# Altium PCB WhiteRHINO_0v1.PcbDoc (part 1 of 10) (continued)
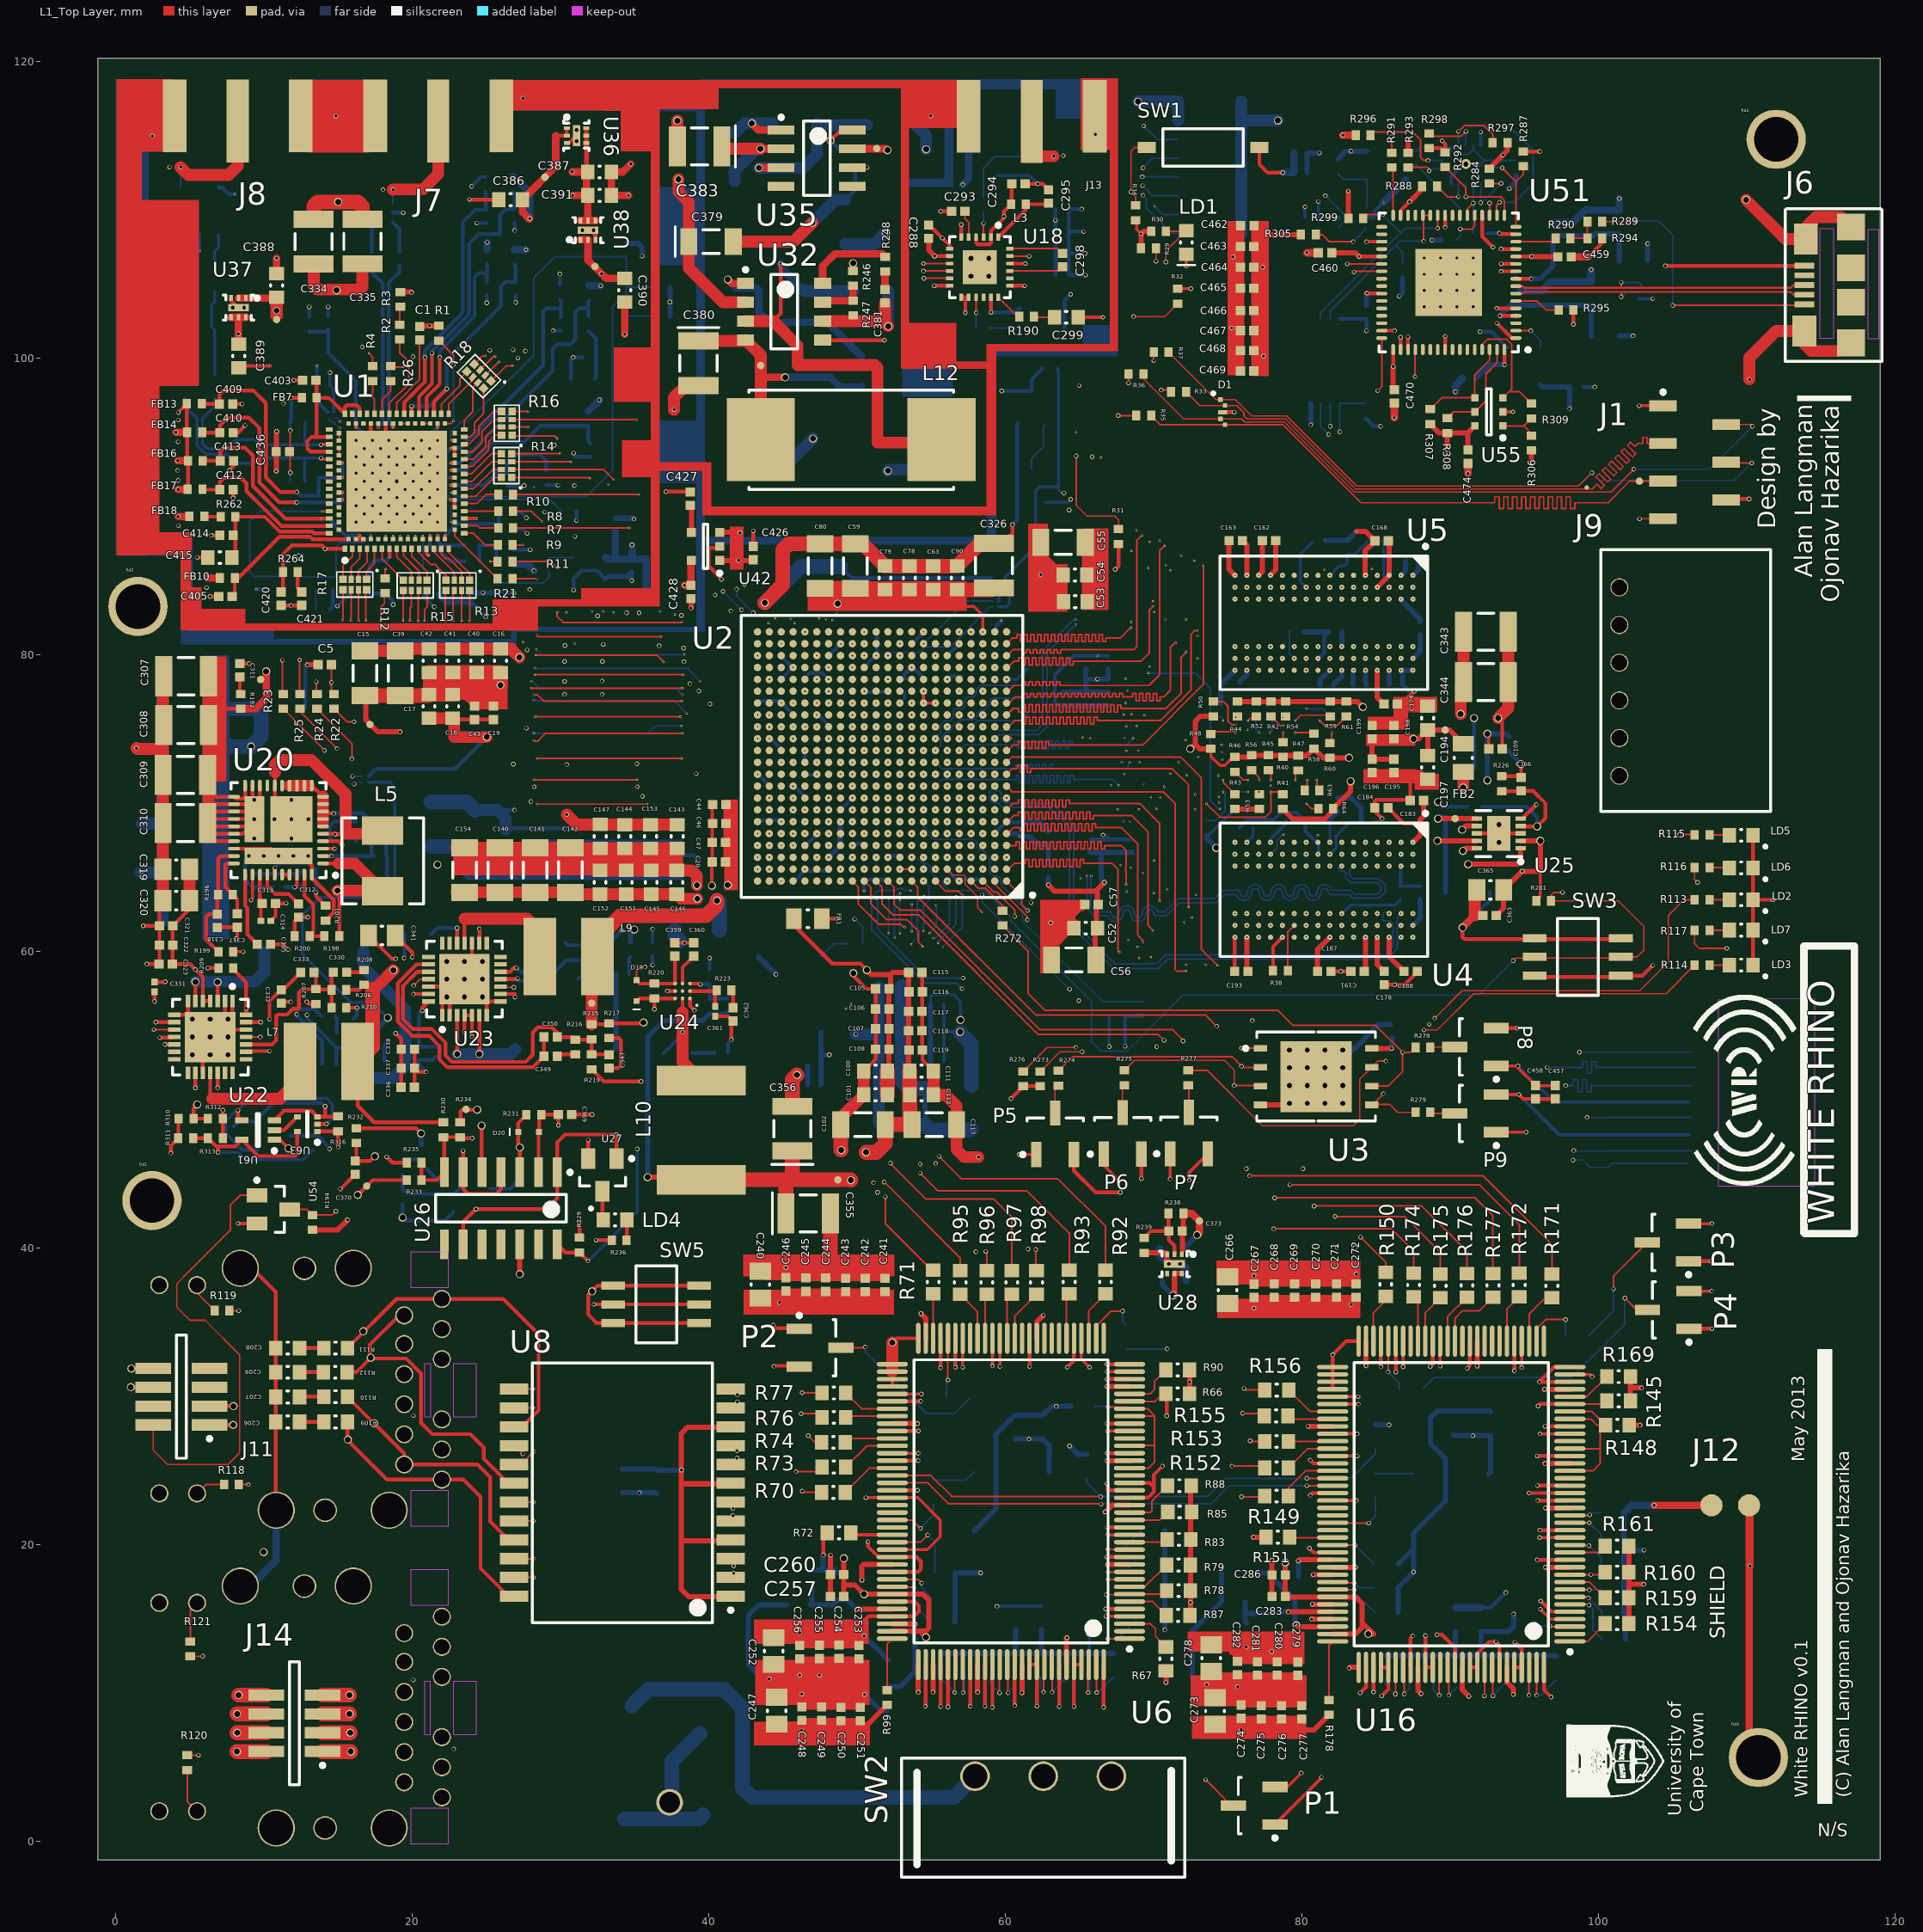
[diagram p0: L1_Top Layer view]
## Components (designator, comment, footprint, x,y, rotation, side; value= is the part's Value field where it differs from the comment) (continued)
C60 "CAP_0603" CAPC0603(1608)100_N 52.258,52.734 r0 bottom
C61 "CAP_0603" CAPC0603(1608)100_N 52.258,54.384 r0 bottom
C62 "CAP_0603" CAPC0603(1608)100_N 52.258,56.009 r0 bottom
C63 "CAP_0603" CAPC0603(1608)100_N 55.15,85.15 r270 top
C64 "CAP_1206" CAPC1206(3216)100_N 53.1,48.275 r0 bottom
C65 "CAP_0402" CAPC0402(1005)60_N 55.425,52.575 r180 bottom
C66 "CAP_0402" CAPC0402(1005)60_N 54.159,84.692 r270 bottom
C67 "CAP_0402" CAPC0402(1005)60_N 47.675,79.925 r180 bottom
C68 "CAP_0402" CAPC0402(1005)60_N 57.4,78.825 r45 bottom
C69 "CAP_0402" CAPC0402(1005)60_N 46.5,77.975 r270 bottom
C70 "CAP_0402" CAPC0402(1005)60_N 55.475,84.7 r270 bottom
C71 "CAP_0402" CAPC0402(1005)60_N 56.1,65.875 r90 bottom
C72 "CAP_0402" CAPC0402(1005)60_N 54.5,77.975 r270 bottom
C73 "CAP_0402" CAPC0402(1005)60_N 50.15,79.125 r180 bottom
C74 "CAP_0402" CAPC0402(1005)60_N 58.95,81.525 r180 bottom
C75 "CAP_0402" CAPC0402(1005)60_N 44.95,80.275 r90 bottom
C76 "CAP_0402" CAPC0402(1005)60_N 55.75,79.9 r180 bottom
C77 "CAP_0402" CAPC0402(1005)60_N 55.425,53.85 r180 bottom
C78 "CAP_0603" CAPC0603(1608)100_N 53.55,85.15 r270 top
C79 "CAP_0603" CAPC0603(1608)100_N 51.9,85.15 r270 top
C80 "CAP_1206" CAPC1206(3216)100_N 47.525,85.95 r270 top
C81 "CAP_0402" CAPC0402(1005)60_N 44.55,78.325 r180 bottom
C82 "CAP_0402" CAPC0402(1005)60_N 50.925,81.6 r180 bottom
C83 "CAP_0402" CAPC0402(1005)60_N 55.425,56.387 r180 bottom
C84 "CAP_0402" CAPC0402(1005)60_N 55.425,55.12 r180 bottom
C85 "CAP_0402" CAPC0402(1005)60_N 52.872,84.7 r270 bottom
C86 "CAP_0402" CAPC0402(1005)60_N 51.6,84.675 r270 bottom
C87 "CAP_1206" CAPC1206(3216)100_N 53.1,50.725 r0 bottom
C88 "CAP_0603" CAPC0603(1608)100_N 52.278,57.584 r0 bottom
C89 "CAP_0603" CAPC0603(1608)100_N 48.9,85.125 r270 bottom
C90 "CAP_0603" CAPC0603(1608)100_N 56.775,85.15 r270 top
C91 "CAP_0402" CAPC0402(1005)60_N 50.325,84.7 r270 bottom
C92 "CAP_0402" CAPC0402(1005)60_N 50.925,67.55 r45 bottom
C93 "CAP_0402" CAPC0402(1005)60_N 52.1,77.9 r90 bottom
C94 "CAP_0402" CAPC0402(1005)60_N 53.3,80.725 r180 bottom
C95 "CAP_0402" CAPC0402(1005)60_N 52.475,64.8 r0 bottom
C96 "CAP_0402" CAPC0402(1005)60_N 53.225,77.9 r270 bottom
C97 "CAP_0402" CAPC0402(1005)60_N 53.375,66.75 r45 bottom
C98 "CAP_0402" CAPC0402(1005)60_N 50.5,65.075 r90 bottom
C99 "CAP_0402" CAPC0402(1005)60_N 58.35,65.275 r90 bottom
C100 "CAP_0603" CAPC0603(1608)100_N 51.27,51.9 r0 top
C101 "CAP_0603" CAPC0603(1608)100_N 51.27,50.3 r0 top
C102 "CAP_1206" CAPC1206(3216)100_N 50.42,48.3 r0 top
C103 "CAP_0402" CAPC0402(1005)60_N 52.5,74.375 r0 bottom
C104 "CAP_0402" CAPC0402(1005)60_N 52.5,72.7 r0 bottom
C105 "CAP_0402" CAPC0402(1005)60_N 51.72,57.45 r0 top
C106 "CAP_0402" CAPC0402(1005)60_N 51.72,56.088 r0 top
C107 "CAP_0402" CAPC0402(1005)60_N 51.72,54.75 r0 top
C108 "CAP_0402" CAPC0402(1005)60_N 51.72,53.375 r0 top
C109 "CAP_0402" CAPC0402(1005)60_N 93.075,73.625 r180 top
C110 "CAP_0402" CAPC0402(1005)60_N 93.975,74 r90 bottom
C111 "CAP_0603" CAPC0603(1608)100_N 54.375,51.9 r180 top
C112 "CAP_0603" CAPC0603(1608)100_N 54.375,50.3 r180 top
C113 "CAP_1206" CAPC1206(3216)100_N 55.225,48.3 r180 top
C114 "CAP_0402" CAPC0402(1005)60_N 52.45,75.925 r0 bottom
C115 "CAP_0402" CAPC0402(1005)60_N 53.95,58.55 r180 top
C116 "CAP_0402" CAPC0402(1005)60_N 53.975,57.25 r180 top
C117 "CAP_0402" CAPC0402(1005)60_N 53.95,55.925 r180 top
C118 "CAP_0402" CAPC0402(1005)60_N 53.95,54.625 r180 top
C119 "CAP_0402" CAPC0402(1005)60_N 53.975,53.325 r180 top
C120 "TMK105BJ104KV-F" CAPC0402(1005)60_N 32.966,64.478 r90 bottom
C121 "TMK105BJ104KV-F" CAPC0402(1005)60_N 31.666,64.503 r90 bottom
C122 "CAP_0402" CAPC0402(1005)60_N 36.841,67.853 r270 bottom
C123 "CAP_0402" CAPC0402(1005)60_N 38.166,67.853 r270 bottom
C124 "CAP_0402" CAPC0402(1005)60_N 30.384,64.472 r90 bottom
C125 "CAP_0402" CAPC0402(1005)60_N 54.5,69.95 r270 bottom
C126 "CAP_0402" CAPC0402(1005)60_N 27.816,67.828 r270 bottom
C127 "CAP_0402" CAPC0402(1005)60_N 29.116,67.828 r270 bottom
C128 "CAP_0402" CAPC0402(1005)60_N 30.391,67.828 r270 bottom
C129 "CAP_0402" CAPC0402(1005)60_N 50.063,72.692 r180 bottom
C130 "CAP_0402" CAPC0402(1005)60_N 54.438,73.042 r270 bottom
C131 "CAP_0402" CAPC0402(1005)60_N 50.038,74.292 r180 bottom
C132 "CAP_0402" CAPC0402(1005)60_N 54.438,75.467 r90 bottom
C133 "CAP_0402" CAPC0402(1005)60_N 50.125,71.125 r180 bottom
C134 "CAP_0402" CAPC0402(1005)60_N 31.666,67.828 r270 bottom
C135 "CAP_0402" CAPC0402(1005)60_N 32.941,67.828 r270 bottom
C136 "CAP_0402" CAPC0402(1005)60_N 34.266,67.828 r270 bottom
C137 "CAP_0402" CAPC0402(1005)60_N 35.541,67.828 r270 bottom
C138 "CAP_0402" CAPC0402(1005)60_N 29.084,64.472 r90 bottom
C139 "CAP_0402" CAPC0402(1005)60_N 27.784,64.472 r90 bottom
C140 "CAP_1206" CAPC1206(3216)100_N 25.925,65.45 r90 top
C141 "CAP_1206" CAPC1206(3216)100_N 28.3,65.45 r90 top
C142 "CAP_1206" CAPC1206(3216)100_N 30.684,65.453 r90 top
C143 "CAP_0603" CAPC0603(1608)100_N 37.891,67.722 r270 top
C144 "CAP_0603" CAPC0603(1608)100_N 34.35,67.722 r270 top
C145 "CAP_0603" CAPC0603(1608)100_N 36.134,64.628 r90 top
C146 "CAP_0603" CAPC0603(1608)100_N 37.859,64.628 r90 top
C147 "CAP_0603" CAPC0603(1608)100_N 32.7,67.725 r270 top
C148 "CAP_0402" CAPC0402(1005)60_N 36.875,64.425 r90 bottom
C149 "TMK105BJ104KV-F" CAPC0402(1005)60_N 35.566,64.428 r90 bottom
C150 "TMK105BJ104KV-F" CAPC0402(1005)60_N 34.291,64.453 r90 bottom
C151 "CAP_0603" CAPC0603(1608)100_N 34.447,64.628 r90 top
C152 "CAP_0603" CAPC0603(1608)100_N 32.686,64.628 r90 top
C153 "CAP_0603" CAPC0603(1608)100_N 36.091,67.722 r270 top
C154 "CAP_1206" CAPC1206(3216)100_N 23.55,65.45 r90 top
C155 "CAP_0402" CAPC0402(1005)60_N 38.175,64.425 r90 bottom
C156 "CAP_0603" CAPC0402(1005)60_N 52.9,69.925 r90 bottom locked
C157 "CAP_0402" CAPC0402(1005)60_N 86,54.6 r270 bottom
C158 "CAP_0402" CAPC0402(1005)60_N 82.45,69.875 r90 bottom
C159 "CAP_0402" CAPC0402(1005)60_N 80.7,68.75 r0 bottom
C160 "CAP_0402" CAPC0402(1005)60_N 84.95,87.675 r0 bottom
C161 "CAP_0402" CAPC0402(1005)60_N 83.05,87.2 r270 bottom
C162 "CAP_0402" CAPC0402(1005)60_N 77.8,87.675 r0 top
C163 "CAP_0402" CAPC0402(1005)60_N 75.55,87.675 r0 top
C164 "CAP_0402" CAPC0402(1005)60_N 81.175,87.675 r180 bottom
C165 "CAP_0402" CAPC0402(1005)60_N 81.5,84.55 r0 bottom
C166 "CAP_0402" CAPC0402(1005)60_N 84.7,84.55 r0 bottom
C167 "CAP_0402" CAPC0402(1005)60_N 86.7,84.125 r90 bottom
C168 "CAP_0402" CAPC0402(1005)60_N 85.4,87.65 r0 top
C169 "CAP_0402" CAPC0402(1005)60_N 87.45,86.275 r0 bottom
C170 "CAP_0402" CAPC0402(1005)60_N 88,81.75 r270 bottom
C171 "CAP_0402" CAPC0402(1005)60_N 81.7,77.95 r180 bottom
C172 "CAP_0402" CAPC0402(1005)60_N 83.925,77.95 r0 bottom
C173 "CAP_0402" CAPC0402(1005)60_N 75.375,78.15 r0 bottom
C174 "CAP_0402" CAPC0402(1005)60_N 86,76.65 r180 top
C175 "CAP_0402" CAPC0402(1005)60_N 80.725,79.75 r180 bottom
C176 "CAP_0402" CAPC0402(1005)60_N 86.35,77.975 r180 bottom
C177 "CAP_0402" CAPC0402(1005)60_N 82.3,81.5 r0 bottom
C178 "CAP_0402" CAPC0402(1005)60_N 85.575,58.175 r90 top
C179 "CAP_0402" CAPC0402(1005)60_N 86.7,66.075 r90 bottom
C180 "CAP_0402" CAPC0402(1005)60_N 84.475,68.675 r180 bottom
C181 "CAP_0402" CAPC0402(1005)60_N 80.7,66.575 r180 bottom
C182 "CAP_0402" CAPC0402(1005)60_N 84.7,66.525 r0 bottom
C183 "CAP_0402" CAPC0402(1005)60_N 87.775,70.15 r0 top
C184 "CAP_0402" CAPC0402(1005)60_N 85.375,69.65 r0 top
C185 "CAP_0402" CAPC0402(1005)60_N 78.525,68.775 r0 bottom
C186 "CAP_0402" CAPC0402(1005)60_N 76.275,68.3 r0 bottom
C187 "CAP_0402" CAPC0402(1005)60_N 81.525,58.625 r180 top
C188 "CAP_0402" CAPC0402(1005)60_N 87.35,58.625 r180 top
C189 "CAP_0402" CAPC0402(1005)60_N 86.675,63.925 r270 bottom
C190 "CAP_0402" CAPC0402(1005)60_N 88,63.925 r270 bottom
C191 "CAP_0402" CAPC0402(1005)60_N 83.775,58.625 r0 top
C192 "CAP_0402" CAPC0402(1005)60_N 80.7,61.725 r180 bottom
C193 "CAP_0402" CAPC0402(1005)60_N 75.925,58.625 r0 top
C194 "CAP_0603" CAPC0603(1608)100_N 88.5,75.7 r270 top
C195 "CAP_0402" CAPC0402(1005)60_N 86.225,72.475 r90 top
C196 "CAP_0402" CAPC0402(1005)60_N 84.75,72.475 r90 top
C197 "CAP_0603" CAPC0603(1608)100_N 88.5,72.375 r90 top
C198 "CAP_0402" CAPC0402(1005)60_N 86.225,74.75 r270 top
C199 "CAP_0402" CAPC0402(1005)60_N 84.75,74.75 r270 top
C200 "CAP_0603" CAPC0603(1608)100_N 60.675,27.9 r270 bottom
C201 "CAP_0603" CAPC0603(1608)100_N 62.55,27.9 r90 bottom
C202 "CAP_0603" CAPC0603(1608)100_N 62.45,15.025 r270 bottom
C203 "CAP_0603" CAPC0603(1608)100_N 60.7,15.025 r270 bottom
C204 "CAP_0603" CAPC0603(1608)100_N 36.5,24.2 r90 bottom
C205 "CAP_0603" CAPC0603(1608)100_N 34.2,24.275 r90 bottom
C206 "CAP_0603" CAPC0603(1608)100_N 11.625,28.25 r0 top locked
C207 "CAP_0603" CAPC0603(1608)100_N 11.625,29.926 r0 top locked
C208 "CAP_0603" CAPC0603(1608)100_N 11.625,33.225 r0 top locked
C209 "CAP_0603" CAPC0603(1608)100_N 11.625,31.6 r0 top locked
C240 "CAP_0805" CAPC0805(2012)75_N 43.5,37.5 r270 top
C241 "CAP_0402" CAPC0402(1005)60_N 51.9,37.475 r270 top
C242 "CAP_0402" CAPC0402(1005)60_N 50.575,37.475 r270 top
C243 "CAP_0402" CAPC0402(1005)60_N 49.25,37.475 r270 top
C244 "CAP_0402" CAPC0402(1005)60_N 47.9,37.5 r270 top
C245 "CAP_0402" CAPC0402(1005)60_N 46.575,37.5 r270 top
C246 "CAP_0402" CAPC0402(1005)60_N 45.225,37.525 r270 top
C247 "CAP_0805" CAPC0805(2012)75_N 44.603,8.775 r90 top locked
C248 "CAP_0402" CAPC0402(1005)60_N 46.3,8.575 r90 top
C249 "CAP_0402" CAPC0402(1005)60_N 47.625,8.575 r90 top
C250 "CAP_0402" CAPC0402(1005)60_N 48.925,8.55 r90 top
C251 "CAP_0402" CAPC0402(1005)60_N 50.234,8.56 r90 top
C252 "CAP_0805" CAPC0805(2012)75_N 44.4,12.8 r270 top
C253 "CAP_0402" CAPC0402(1005)60_N 50.15,12.725 r270 top
C254 "CAP_0402" CAPC0402(1005)60_N 48.8,12.75 r270 top
C255 "CAP_0402" CAPC0402(1005)60_N 47.487,12.74 r270 top
C256 "CAP_0402" CAPC0402(1005)60_N 46.15,12.725 r270 top
C257 "CAP_0402" CAPC0402(1005)60_N 48.675,16.475 r0 top locked
C258 "CAP_0805" CAPC0805(2012)75_N 48.725,17.15 r270 bottom
C259 "CAP_0402" CAPC0402(1005)60_N 46.975,17.825 r270 bottom
C260 "CAP_0402" CAPC0402(1005)60_N 48.675,17.95 r0 top
C261 "CAP_0805" CAPC0805(2012)75_N 53.025,12.2 r0 bottom
C262 "CAP_0603" CAPC0603(1608)100_N 90.225,28.175 r270 bottom
C263 "CAP_0603" CAPC0603(1608)100_N 92.732,28.125 r90 bottom
C264 "CAP_0603" CAPC0603(1608)100_N 92.1,14.925 r270 bottom
C265 "CAP_0603" CAPC0603(1608)100_N 90.375,14.925 r270 bottom
C266 "CAP_0805" CAPC0805(2012)75_N 75,37.125 r90 top
C267 "CAP_0402" CAPC0402(1005)60_N 76.791,37.086 r90 top
C268 "CAP_0402" CAPC0402(1005)60_N 78.15,37.1 r90 top
C269 "CAP_0402" CAPC0402(1005)60_N 79.525,37.1 r90 top
C270 "CAP_0402" CAPC0402(1005)60_N 80.95,37.1 r90 top
C271 "CAP_0402" CAPC0402(1005)60_N 82.35,37.1 r90 top
C272 "CAP_0402" CAPC0402(1005)60_N 83.675,37.1 r90 top
C273 "CAP_0805" CAPC0805(2012)75_N 74.15,8.75 r90 top
C274 "CAP_0402" CAPC0402(1005)60_N 75.911,8.711 r90 top
C275 "CAP_0402" CAPC0402(1005)60_N 77.275,8.675 r90 top
C276 "CAP_0402" CAPC0402(1005)60_N 78.65,8.675 r90 top
C277 "CAP_0402" CAPC0402(1005)60_N 80,8.675 r90 top
C278 "CAP_0805" CAPC0805(2012)75_N 73.9,12.325 r270 top
C279 "CAP_0402" CAPC0402(1005)60_N 79.736,11.614 r270 top
C280 "CAP_0402" CAPC0402(1005)60_N 78.35,11.625 r270 top
C281 "CAP_0402" CAPC0402(1005)60_N 77.025,11.625 r270 top
C282 "CAP_0402" CAPC0402(1005)60_N 75.675,11.65 r270 top
C283 "CAP_0402" CAPC0402(1005)60_N 78.45,16.475 r0 top
C284 "CAP_0805" CAPC0805(2012)75_N 77.975,14.425 r90 bottom
C285 "CAP_0402" CAPC0402(1005)60_N 76.275,14.25 r90 bottom locked
C286 "CAP_0402" CAPC0402(1005)60_N 78.45,17.925 r0 top
C287 "CAP_0805" CAPC0805(2012)75_N 78.874,17.798 r180 bottom locked
C288 "CAP_0402" CAPC0402(1005)60_N 54.85,108.5 r90 top
C289 "CAP_0402" CAPC0402(1005)60_N 63.85,105.575 r0 bottom
C290 "CAP_0402" CAPC0402(1005)60_N 63.85,107.025 r0 bottom
C291 "CAP_0402" CAPC0402(1005)60_N 63.85,108.5 r0 bottom
C292 "CAP_0402" CAPC0402(1005)60_N 63.85,110.025 r180 bottom
C293 "CAP_0402" CAPC0402(1005)60_N 56.85,109.875 r0 top locked
C294 "CAP_0402" CAPC0402(1005)60_N 60.9,111.725 r0 top
C295 "CAP_0402" CAPC0402(1005)60_N 62.925,110.875 r270 top
C296 "CAP_0402" CAPC0402(1005)60_N 61.9,113.575 r180 bottom
C297 "CAP_0402" CAPC0402(1005)60_N 59,112.275 r180 bottom
C298 "CAP_0402" CAPC0402(1005)60_N 63.875,106.575 r90 top
C299 "CAP_0603" CAPC0603(1608)100_N 64.125,102.725 r180 top
C300 "CAP_0402" CAPC0402(1005)60_N 58.5,102.025 r180 bottom locked
C301 "CAP_1210" CAPC1210(3225)100_N 4.675,68.575 r0 bottom
C302 "CAP_1210" CAPC1210(3225)100_N 4.675,71.975 r0 bottom
C303 "CAP_1210" CAPC1210(3225)100_N 4.675,75.3 r0 bottom
C304 "CAP_1210" CAPC1210(3225)100_N 4.65,78.625 r0 bottom
C305 "CAP_0402" CAPC0402(1005)60_N 10.025,60.45 r0 top
C306 "CAP_0402" CAPC0402(1005)60_N 17.875,66.4 r0 bottom locked
C307 "CAP_1210" CAPC1210(3225)100_N 4.775,78.525 r0 top
C308 "CAP_1210" CAPC1210(3225)100_N 4.771,75.226 r0 top
C309 "CAP_1210" CAPC1210(3225)100_N 4.725,71.875 r0 top
C310 "CAP_1210" CAPC1210(3225)100_N 4.725,68.625 r0 top
C311 "CAP_0402" CAPC0402(1005)60_N 8.4,78.925 r90 top
C312 "CAP_0402" CAPC0402(1005)60_N 12.35,62.725 r270 top
C313 "CAP_0402" CAPC0402(1005)60_N 10.35,63.2 r0 top
C314 "CAP_0201" CAPC0201(0603)33_N 10.15,62.025 r0 top locked
C315 "CAP_0402" CAPC0402(1005)60_N 9.3,64.75 r90 bottom locked
C316 "CAP_0402" CAPC0402(1005)60_N 11.025,64.3 r180 bottom locked
C317 "CAP_0402" CAPC0402(1005)60_N 8.225,62.05 r90 top locked
C318 "CAP_0402" CAPC0402(1005)60_N 6.875,62.025 r90 top locked
C319 "CAP_0805" CAPC0805(2012)75_N 4.101,65.498 r0 top
C320 "CAP_0805" CAPC0805(2012)75_N 4.1,63.4 r0 top
C321 "CAP_0402" CAPC0402(1005)60_N 3.425,61.7 r0 top
C322 "CAP_0402" CAPC0402(1005)60_N 3.425,60.4 r0 top
C323 "CAP_0402" CAPC0402(1005)60_N 3.4,59.125 r0 top
C324 "Cap Pol1" Polarized_CAPC1210(3225) 4.675,65.3 r180 bottom
C325 "CAP_0402" CAPC0402(1005)60_N 17.7,52.575 r0 bottom locked
C326 "CAP_1210" CAPC1210(3225)100_N 59.25,85.975 r270 top
C327 "CAP_1210" CAPC1210(3225)100_N 57.725,49.45 r270 bottom
C328 "CAP_0402" CAPC0402(1005)60_N 14.375,55.6 r0 bottom
C329 "CAP_0402" CAPC0402(1005)60_N 14.4,52.375 r0 bottom locked
C330 "CAP_0402" CAPC0402(1005)60_N 15.15,58.575 r0 top locked
C331 "CAP_0201" CAPC0201(0603)33_N 2.65,57.575 r90 top locked
C332 "CAP_0402" CAPC0402(1005)60_N 11.2,56.925 r270 top locked
C333 "CAP_0402" CAPC0402(1005)60_N 12.95,58.55 r0 top
C334 "CAP_1210" CAPC1210(3225)100_N 13.375,107.825 r90 top
C335 "CAP_1210" CAPC1210(3225)100_N 16.661,107.833 r90 top
C336 "CAP_0402" CAPC0402(1005)60_N 19.719,50.813 r180 top
C337 "CAP_0402" CAPC0402(1005)60_N 19.725,52.1 r180 top
C338 "CAP_0402" CAPC0402(1005)60_N 19.725,53.375 r180 top
C339 "Cap Pol1" Polarized_CAPC1210(3225) 4.675,62 r180 bottom
C340 "CAP_0805" CAPC0805(2012)75_N 20.4,61.15 r0 bottom
C341 "CAP_0805" CAPC0805(2012)75_N 17.975,61.05 r0 top
C342 "CAP_0402" CAPC0402(1005)60_N 34.2,58.45 r0 bottom locked
C343 "CAP_1210" CAPC1210(3225)100_N 92.425,81.525 r180 top
C344 "CAP_1210" CAPC1210(3225)100_N 92.425,78.125 r180 top
C345 "CAP_0402" CAPC0402(1005)60_N 29.875,60.575 r0 bottom locked
C346 "CAP_0402" CAPC0402(1005)60_N 29.875,59.3 r0 bottom locked
C347 "CAP_0402" CAPC0402(1005)60_N 33.3,52.55 r270 top locked
C348 "CAP_0201" CAPC0201(0603)33_N 21.625,53.225 r90 bottom
C349 "CAP_0402" CAPC0402(1005)60_N 29.35,52.9 r0 top locked
C350 "CAP_0402" CAPC0402(1005)60_N 29.35,54.2 r0 top
C351 "CAP_1210" CAPC1210(3225)100_N 21.275,68.55 r270 bottom
C352 "CAP_1210" CAPC1210(3225)100_N 39.225,61.4 r0 bottom
C353 "Cap Pol1" Polarized_CAPC1210(3225) 11.325,76.325 r0 bottom
C354 "CAP_0402" CAPC0402(1005)60_N 36.225,60.125 r90 bottom
C355 "Cap Pol1" Polarized_CAPC1210(3225) 46.725,42.3 r0 top
C356 "Cap Pol1" Polarized_CAPC1210(3225) 45.65,48.025 r90 top
C357 "CAP_0402" CAPC0402(1005)60_N 41.275,56.35 r270 bottom
C358 "CAP_0402" CAPC0402(1005)60_N 40.85,53.15 r180 bottom
C359 "CAP_0402" CAPC0402(1005)60_N 37.725,60.1 r270 top
C360 "CAP_0402" CAPC0402(1005)60_N 39,60.1 r270 top
C361 "CAP_0201" CAPC0201(0603)33_N 40.45,55.925 r90 top locked
C362 "CAP_0402" CAPC0402(1005)60_N 41.65,55.725 r90 top locked
C363 "CAP_0402" CAPC0402(1005)60_N 92.675,62.4 r0 top
C364 "CAP_1210" CAPC1210(3225)100_N 91.2,63.975 r180 bottom
C365 "CAP_0805" CAPC0805(2012)75_N 92.725,64.125 r0 top
C366 "CAP_0402" CAPC0402(1005)60_N 94.8,71.25 r270 top
C367 "CAP_0402" CAPC0402(1005)60_N 92.075,72.325 r0 bottom
C368 "CAP_0402" CAPC0402(1005)60_N 92.075,73.6 r0 bottom
C369 "CAP_0402" CAPC0402(1005)60_N 30.325,48.975 r180 top
C370 "CAP_0402" CAPC0402(1005)60_N 16.175,45.4 r90 top
C371 "CAP_0603" CAPC0603(1608)100_N 71.225,39.925 r0 bottom
C372 "CAP_0603" CAPC0603(1608)100_N 71.4,37.775 r180 bottom
C373 "CAP_0402" CAPC0402(1005)60_N 71.5,41.125 r0 top
C378 "Cap Pol1" Polarized_CAPC1206(3216) 44.9,104.55 r0 bottom
C379 "Cap Pol1" Polarized_CAPC1206(3216) 40.175,107.825 r0 top
C380 "Cap Pol1" Polarized_CAPC1210(3225) 39.325,99.625 r270 top
C381 "CAP_0402" CAPC0402(1005)60_N 51.9,104.15 r90 top locked
C382 "Cap Pol1" Polarized_CAPC1206(3216) 45.825,115.8 r0 bottom locked
C383 "Cap Pol1" Polarized_CAPC1210(3225) 39.4,114.25 r180 top
C384 "Cap Pol1" Polarized_CAPC1210(3225) 49.225,109.15 r90 bottom
C385 "CAP_0402" CAPC0402(1005)60_N 49.9,113.475 r90 bottom locked
C386 "CAP_0603" CAPC0603(1608)100_N 26.65,110.65 r0 top
C387 "CAP_0603" CAPC0603(1608)100_N 32.65,112.525 r180 top
C388 "CAP_0603" CAPC0603(1608)100_N 10.875,104.875 r270 top
C389 "CAP_0603" CAPC0603(1608)100_N 8.325,100.125 r90 top
C390 "CAP_0603" CAPC0603(1608)100_N 34.35,104.55 r90 top
C391 "CAP_0603" CAPC0603(1608)100_N 32.65,110.95 r180 top
C397 "CAP_0402" CAPC0402(1005)60_N 17.275,106.675 r90 bottom locked
C399 "CAP_0402" CAPC0402(1005)60_N 19.175,106.675 r90 bottom locked
C403 "CAP_0402" CAPC0402(1005)60_N 13.075,98.475 r0 top locked
C404 "CAP_0402" CAPC0402(1005)60_N 27,104.675 r270 bottom locked
C405 "CAP_0402" CAPC0402(1005)60_N 7.425,83.9 r180 top locked
C406 "CAP_0402" CAPC0402(1005)60_N 26.15,87.275 r0 bottom
C407 "CAP_0402" CAPC0402(1005)60_N 14.35,102.35 r270 bottom
C408 "CAP_0402" CAPC0402(1005)60_N 32.025,93.775 r270 bottom locked
C409 "CAP_0402" CAPC0402(1005)60_N 7.475,96.875 r180 top
C410 "CAP_0402" CAPC0402(1005)60_N 7.5,94.95 r180 top locked
C411 "CAP_0402" CAPC0402(1005)60_N 26.925,109.55 r90 bottom locked
C412 "CAP_0402" CAPC0402(1005)60_N 7.5,91.1 r180 top locked
C413 "CAP_0402" CAPC0402(1005)60_N 7.525,93.05 r180 top
C414 "CAP_0402" CAPC0402(1005)60_N 7.5,88.025 r180 top
C415 "CAP_0603" CAPC0603(1608)100_N 7.05,86.525 r0 top locked
C416 "CAP_0402" CAPC0402(1005)60_N 31.95,100.025 r180 bottom
C417 "CAP_0402" CAPC0402(1005)60_N 26.45,91.8 r90 bottom locked
C418 "CAP_0402" CAPC0402(1005)60_N 30.05,102.275 r90 bottom locked
C419 "CAP_0603" CAPC0603(1608)100_N 31.525,98.575 r0 bottom locked
C420 "CAP_0402" CAPC0402(1005)60_N 11.175,83.75 r90 top
C421 "CAP_0402" CAPC0402(1005)60_N 12.575,83.75 r90 top locked
C422 "CAP_0402" CAPC0402(1005)60_N 26.35,89.625 r180 bottom
C423 "CAP_0402" CAPC0402(1005)60_N 25,109.525 r270 bottom locked
C424 "CAP_0402" CAPC0402(1005)60_N 25.05,104.675 r90 bottom locked
C425 "CAP_0402" CAPC0402(1005)60_N 15.95,84.65 r90 bottom
C426 "CAP_0402" CAPC0402(1005)60_N 43.025,86.825 r270 top
C427 "CAP_0402" CAPC0402(1005)60_N 38.775,90.5 r270 top
C428 "CAP_0402" CAPC0402(1005)60_N 38.825,84.2 r90 top locked
C429 "CAP_0402" CAPC0402(1005)60_N 33.725,88.725 r270 bottom
C430 "CAP_0402" CAPC0402(1005)60_N 29.225,86.075 r90 bottom locked
C431 "CAP_0402" CAPC0402(1005)60_N 21.3,84.075 r180 bottom
C432 "CAP_0402" CAPC0402(1005)60_N 34.825,85.975 r90 bottom
C436 "CAP_0402" CAPC0402(1005)60_N 11.3,93.675 r0 top
C437 "CAP_0603" CAPC0603(1608)100_N 6.7,98.075 r90 bottom
C438 "CAP_0603" CAPC0603(1608)100_N 6.7,105.275 r90 bottom locked
C441 "CAP_0402" CAPC0402(1005)60_N 12.75,93.675 r90 bottom
C442 "CAP_0603" CAPC0603(1608)100_N 4.7,98.075 r90 bottom locked
C443 "CAP_0603" CAPC0603(1608)100_N 4.7,105.275 r90 bottom locked
C454 "CAP_0402" CAPC0402(1005)60_N 47.125,52.275 r0 bottom
C455 "TMK105BJ104KV-F" CAPC0402(1005)60_N 47.15,50.975 r0 bottom
C456 "CAP_0402" CAPC0402(1005)60_N 69.3,56.15 r270 bottom
C457 "CAP_0402" CAPC0402(1005)60_N 97.1,50.475 r270 top
C458 "CAP_0402" CAPC0402(1005)60_N 95.781,50.483 r270 top
C459 "CAP_0402" CAPC0402(1005)60_N 97.725,106.8 r180 top
C460 "CAP_0402" CAPC0402(1005)60_N 81.575,107.075 r0 top
C461 "CAP_0402" CAPC0402(1005)60_N 91.3,98.6 r0 bottom
C462 "CAP_0402" CAPC0402(1005)60_N 76.332,108.905 r0 top
C463 "CAP_0402" CAPC0402(1005)60_N 76.325,107.5 r0 top
C464 "CAP_0402" CAPC0402(1005)60_N 76.325,106.1 r0 top
C465 "CAP_0402" CAPC0402(1005)60_N 76.325,104.675 r0 top
C466 "CAP_0402" CAPC0402(1005)60_N 76.325,103.175 r0 top
C467 "CAP_0402" CAPC0402(1005)60_N 76.325,101.825 r0 top
C468 "CAP_0402" CAPC0402(1005)60_N 76.325,100.475 r0 top
C469 "CAP_0402" CAPC0402(1005)60_N 76.325,99.1 r0 top
C470 "CAP_0402" CAPC0402(1005)60_N 86.25,97.4 r90 top
C471 "CAP_0402" CAPC0402(1005)60_N 84.375,103.075 r90 bottom
C472 "CAP_0402" CAPC0402(1005)60_N 98.525,98.025 r180 bottom
C473 "CAP_0402" CAPC0402(1005)60_N 80.675,109.5 r0 bottom
C474 "CAP_0402" CAPC0402(1005)60_N 91.225,93.325 r90 top
C475 "CAP_0402" CAPC0402(1005)60_N 79.925,112.475 r0 bottom
C476 "CAP_0402" CAPC0402(1005)60_N 79.925,113.8 r0 bottom
C477 "CAP_0603" CAPC0603(1608)100_N 101.425,109.15 r270 bottom
C478 "CAP_0603" CAPC0603(1608)100_N 99.8,109.15 r270 bottom
C479 "CAP_0402" CAPC0402(1005)60_N 98.3,108.675 r270 bottom
C480 "CAP_0402" CAPC0402(1005)60_N 96.95,108.675 r270 bottom locked
C481 "CAP_0603" CAPC0603(1608)100_N 99.525,104.325 r270 bottom
C482 "CAP_0603" CAPC0603(1608)100_N 97.775,104.325 r270 bottom
C483 "CAP_0402" CAPC0402(1005)60_N 96.175,104.05 r270 bottom
C484 "CAP_0402" CAPC0402(1005)60_N 94.725,104.05 r270 bottom locked
C485 "CAP_0402" CAPC0402(1005)60_N 14.025,98.1 r0 bottom
C486 "CAP_0402" CAPC0402(1005)60_N 59.5,85.15 r0 bottom
C487 "CAP_0402" CAPC0402(1005)60_N 18.525,71.825 r270 bottom
D1 "QuadESDDiode_TEConnectivity_SESD0802Q4UG" QuadESDDiode_TEConnectivity_SESD0802Q4UG_5-PIN 74.675,96.325 r90 top locked
D19 "Shottky Diode" SchottkyDiode_RB751S40_2-PIN 35.15,57.325 r90 top
D20 "Shottky Diode" SchottkyDiode_RB751S40_2-PIN 27.875,47.8 r0 top
D21 "Shottky Diode" SchottkyDiode_RB751S40_2-PIN 25.275,43.275 r270 bottom locked
D22 "ZenerDiode" ZenerDiode_BZX84-A3V0215_SOT23-3 21.85,43.425 r90 bottom
D25 "Diode" Diode_DB2J31700L_2-PIN 50.325,99.075 r270 bottom locked
D26 "Shottky Diode" SchottkyDiode_SS2P2-M384A_2-PIN 51.425,104.5 r0 bottom
D27 "Shottky Diode" SchottkyDiode_MBR0520-TP_SOD-123 41.75,113.525 r270 bottom locked
D28 "Shottky Diode" SchottkyDiode_MBR130T1G_SOD-123 52.325,115.7 r0 bottom
D29 "QuadESDDiode_TEConnectivity_SESD0802Q4UG" QuadESDDiode_TEConnectivity_SESD0802Q4UG_5-PIN 102.825,103.975 r270 bottom locked
FB1 "FB0805" Inductor0805(2012) 46.7,62.175 r180 top locked
FB2 "FB0805" Inductor0805(2012) 90.9,73.025 r90 top
FB7 "FerriteBead" Inductor0402(1005) 13.075,97.3 r180 top
FB8 "FerriteBead" Inductor0402(1005) 31.9,95.9 r90 bottom
FB9 "FerriteBead" Inductor0402(1005) 26.4,86.075 r0 bottom
FB10 "FerriteBead" Inductor0402(1005) 7.55,85.15 r180 top
FB11 "FerriteBead" Inductor0402(1005) 26.925,106.775 r90 bottom
FB12 "FerriteBead" Inductor0402(1005) 13.075,102.25 r90 bottom locked
FB13 "FerriteBead" Inductor0402(1005) 5.325,96.9 r180 top locked
FB14 "FerriteBead" Inductor0402(1005) 5.35,94.975 r180 top
FB15 "FerriteBead" Inductor0402(1005) 26.8,111.675 r90 bottom
FB16 "FerriteBead" Inductor0402(1005) 5.4,93.05 r180 top locked
FB17 "FerriteBead" Inductor0402(1005) 5.375,91.125 r180 top locked
FB18 "FerriteBead" Inductor0402(1005) 5.5,89.3 r180 top locked
FB19 "FerriteBead" Inductor0402(1005) 29.975,104.4 r90 bottom
FB20 "FerriteBead" Inductor0402(1005) 31.95,104.35 r270 bottom
FB21 "FerriteBead" Inductor0402(1005) 29.05,91.9 r270 bottom
FB22 "FerriteBead" Inductor0402(1005) 26.35,88.45 r0 bottom locked
FB23 "FerriteBead" Inductor0402(1005) 24.95,111.675 r90 bottom
FB24 "FerriteBead" Inductor0402(1005) 17.125,84.6 r270 bottom locked
FB27 "FB0805" Inductor0805(2012) 102.375,106.525 r180 bottom
FB28 "FB0805" Inductor0805(2012) 100.475,101.475 r180 bottom
fid1 "Fiducial" MountingHole_PCB 2.475,43.175 r0 top
fid2 "Fiducial" MountingHole_PCB 1.525,83.225 r0 top
fid3 "Fiducial" MountingHole_PCB 110.8,5.625 r0 top
fid4 "Fiducial" MountingHole_PCB 112,114.725 r0 top
J1 "JTAG_Header_Sullins_GRPB071VWTC-RC" JTAG_Header_Sullins_GRPB071VWTC-RC_7-Pos 106.5,92.95 r0 top
J2 "RJ-45, Belfuse" RJ-45_BelFuse_L834-1G1T-S7_pcb 12.75,30.45 r90 bottom
J3 "RJ-45, Belfuse" RJ-45_BelFuse_L834-1G1T-S7_pcb 12.75,9.025 r90 bottom
J4 "BarrelJack" BarrelJack_PJ-028-SMT 36.975,4.85 r180 bottom
J5 "SD_Micro_Card_Conn_Wurth_693071010811" SD_Micro_Card_Conn_Wurth_693071010811 117,49.475 r270 bottom locked
J6 "MicroUSB_Connector" MicroUSB_ConnReceptacle_Hirose_ZX62-B-5PA(11)_pcb 122,104.6 r90 top
J7 "SMA_Connector" Connector_SMA_Amphenol_132255_Edgemount 21.775,117.6 r0 top
J8 "SMA_Connector" Connector_SMA_Amphenol_132255_Edgemount 8.25,117.6 r0 top
J9 "Header-6_PMOD" ConnectorGPIO_Sullins_PPTC061LGBN-RC_6-pos 105.65,77.15 r90 top
J10 "Header_Harwin_M50-3600842" Header_Harwin_M50-3600842_16-pos 73.8,112.825 r0 bottom
J11 "Header-8_PoE" Header_FCI_20021221-00008T4LF_8-pos 4.45,29.95 r180 top locked
J12 "Header-2_milmax" Header_Mil-Max_800-10-002-40-002000_2-Pos 110.175,22.625 r180 top
J13 "SMA_Connector" Connector_SMA_Amphenol_132255_Edgemount 61.8,117.575 r0 top
J14 "Header-8_PoE" Header_FCI_20021221-00008T4LF_8-pos 12.075,7.925 r180 top
L3 "INDUCTOR" Inductor0402(1005) 60.9,110.35 r0 top
L4 "INDUCTOR" Inductor0402(1005) 58.55,110.275 r270 bottom locked
L5 "INDUCTOR" Inductor_IHLP2020CZER1R5M01_2-PIN 18.025,66.075 r270 top
L6 "INDUCTOR" Inductor_SRN6045-Series_2-PIN 13.4,59.95 r0 bottom
L7 "INDUCTOR" Inductor_NRS5020T1R0NMGJ_2-PIN 14.4,52.55 r0 top
L8 "INDUCTOR" Inductor_SRN6045-Series_2-PIN 30.325,53.375 r0 bottom
L9 "INDUCTOR" Inductor_NRS5020T1R0NMGJ_2-PIN 30.575,59.625 r0 top
L10 "INDUCTOR" Inductor_SRN6045-Series_2-PIN 39.5,47.925 r270 top
L12 "INDUCTOR" Inductor_IHSM4825ER_2-PIN 49.625,94.475 r180 top
L13 "INDUCTOR" Inductor_IHSM4825ER_2-PIN 49.65,92.45 r0 bottom
L14 "INDUCTOR" Inductor0402(1005) 12.3,91.675 r180 bottom
L15 "INDUCTOR" Inductor0402(1005) 12.3,95.675 r180 bottom
L17 "INDUCTOR" Inductor0603(1608) 8.75,93.675 r90 bottom locked
L18 "INDUCTOR" Inductor0603(1608) 5.7,102.075 r0 bottom locked
LD1 "LED0603" LED0603(1608) 72.225,107.775 r90 top
LD2 "LED0603" LED0603(1608)_HSMG-C190 109.65,63.45 r180 top
LD3 "LED0603" LED0603(1608)_HSMG-C190 109.65,59.05 r180 top
LD4 "LED0603" LED0603(1608)_HSMG-C190 33.7,41.875 r0 top locked
LD5 "LED0603" LED0603(1608)_HSMG-C190 109.65,67.8 r180 top
LD6 "LED0603" LED0603(1608)_HSMG-C190 109.65,65.6 r180 top
LD7 "LED0603" LED0603(1608)_HSMG-C190 109.65,61.4 r180 top
P1 "GRPB031VWTC-RC" Header_3-Pos_Sullins_GRPB031VWTC-RC 76.8,2.375 r180 top locked
P2 "GRPB031VWTC-RC" Header_3-Pos_Sullins_GRPB031VWTC-RC 47.525,33.25 r0 top locked
P3 "GRPB031VWTC-RC" Header_3-Pos_Sullins_GRPB031VWTC-RC 104.7,40.35 r180 top locked
P4 "GRPB031VWTC-RC" Header_3-Pos_Sullins_GRPB031VWTC-RC 104.725,35.8 r180 top locked
P5 "GRPB031VWTC-RC" Header_3-Pos_Sullins_GRPB031VWTC-RC 63.375,47.675 r90 top locked
P6 "GRPB031VWTC-RC" Header_3-Pos_Sullins_GRPB031VWTC-RC 67.925,47.7 r90 top locked
P7 "GRPB031VWTC-RC" Header_3-Pos_Sullins_GRPB031VWTC-RC 72.4,47.725 r90 top
P8 "GRPB031VWTC-RC" Header_3-Pos_Sullins_GRPB031VWTC-RC 91.725,53.525 r180 top
P9 "GRPB031VWTC-RC" Header_3-Pos_Sullins_GRPB031VWTC-RC 91.725,49.05 r180 top
R1 "RES_0402" RESC0402(1005)_N 21.825,101.65 r90 top
R2 "RES_0402" RESC0402(1005)_N 19.175,101.725 r90 top locked
R3 "RES_0402" RESC0402(1005)_N 19.225,103.925 r90 top
R4 "RES_0402" RESC0402(1005)_N 17.35,98.925 r270 top locked